# Altium PCB PCB_ControlCard.PcbDoc (part 2 of 4)
Units mm, origin at the board's own origin, x right, y up, seen from the top; angles counter-clockwise.
Board outline 116 x 133 mm, 4 copper layers (Top Layer, Inner 1, Inner 2, Bottom Layer), stack 1.492 mm thick; 342 components, 234 nets, 1133 pads, 996 vias.
Unrouted connection lines stored in the file: 23.
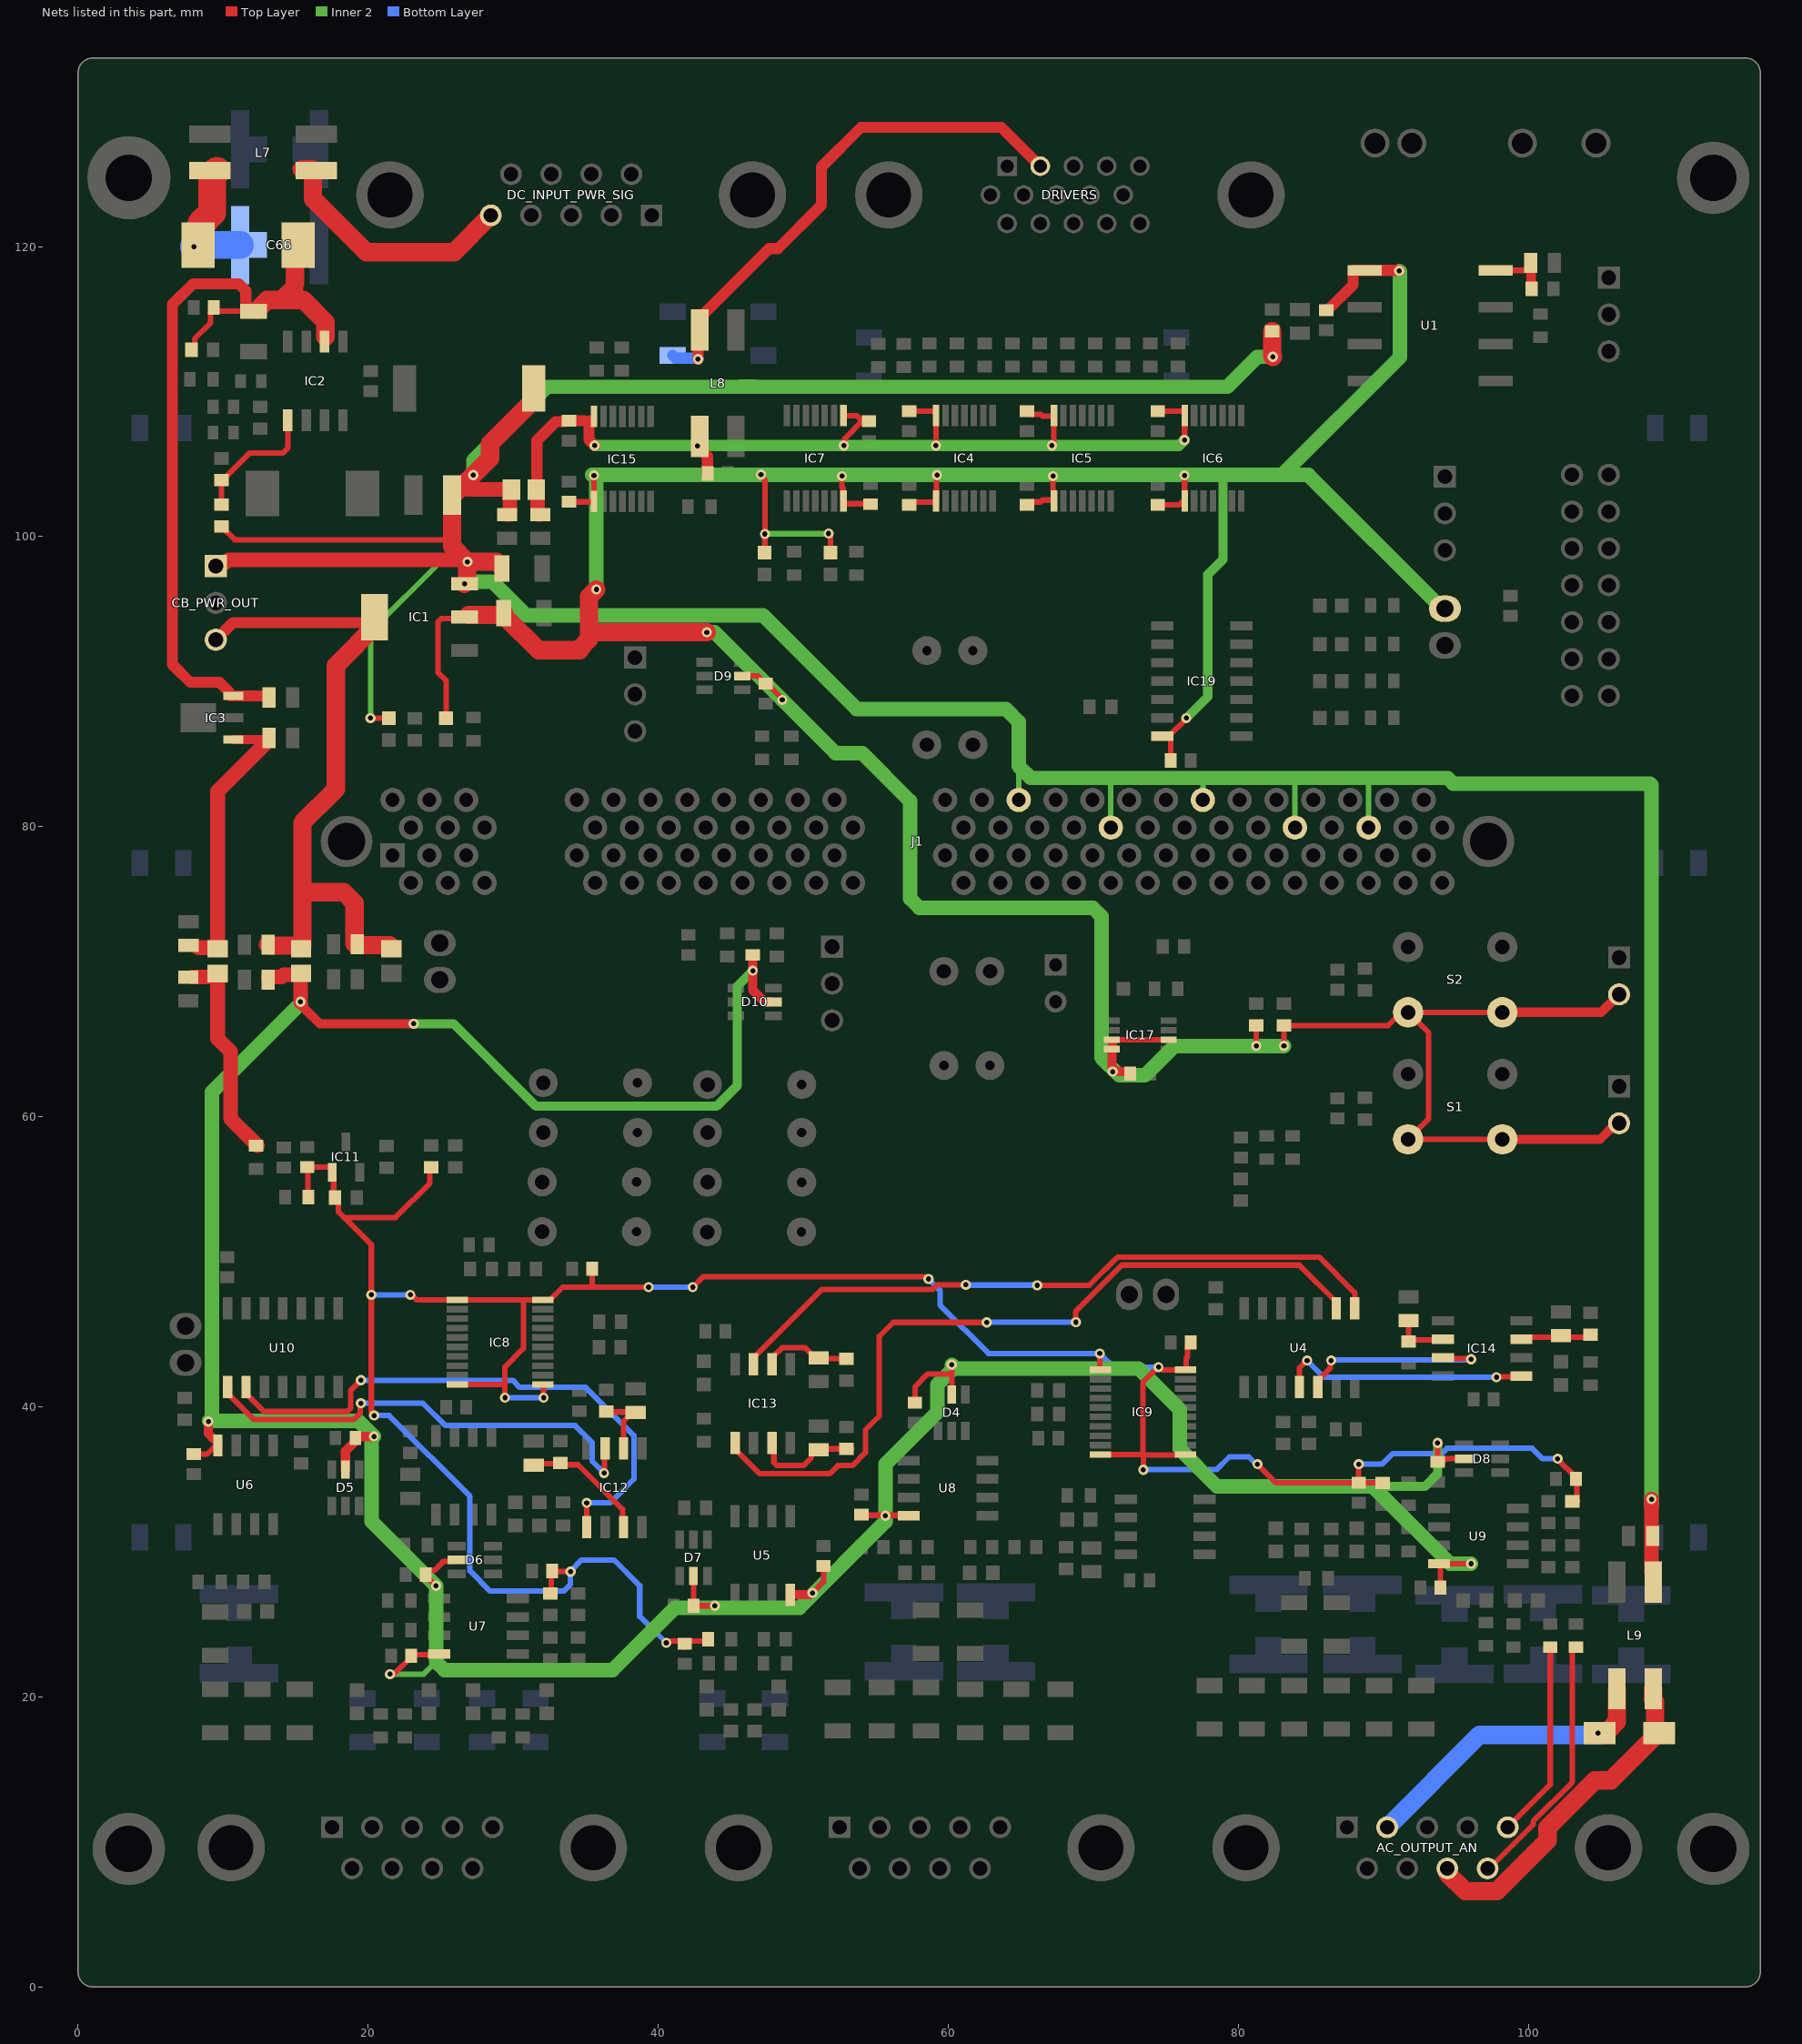
[diagram p4: the nets of this part, all layers, seen from the top]

## Part data
3V3_ON 5V_ON: library part 150060GS75000, "LED", Manufacturer_Name="Wurth Elektronik", Mouser Part Number=710-150060GS75000, Datasheet Link=https://componentsearchengine.com/Datasheets/2/150060GS75000.pdf, Height=0.8mm, Manufacturer_Part_Number=150060GS75000, Mouser Price/Stock=https://www.mouser.co.uk/ProductDetail/Wurth-Elektronik/150060GS75000?qs=LlUlMxKIyB0UYkq5lDO8nA%3D%3D
AC_OUTPUT_AN DC_AC_INPUT_AN DC_INPUT_AN DC_INPUT_PWR_SIG: "Connector", Manufacturer_Name="Amphenol Communications Solutions", Mouser Part Number=523-L77TSEH09SOL2RM8, Arrow Part Number=L77TSEH09SOL2RM8, Arrow Price/Stock=https://www.arrow.com/en/products/l77tseh09sol2rm8/amphenol-fci?region=nac, Datasheet Link=https://cdn.amphenol-cs.com/media/wysiwyg/files/drawing/l77tsxhxxsol2rm8.pdf, Height=12.3mm, Manufacturer_Part_Number=L77TSEH09SOL2RM8, Mouser Price/Stock=https://www.mouser.co.uk/ProductDetail/Amphenol-Commercial-Products/L77TSEH09SOL2RM8?qs=mq7kV%2Fq8lk5RvjourI%2Fduw%3D%3D
AUX_IN_ANALOG AUX_IN_DIGITAL AUX_OUT CB_PWR_OUT: "Connector", Manufacturer_Name="Amphenol Communications Solutions", Mouser Part Number=649-76384-303LF, Datasheet Link=https://cdn.amphenol-cs.com/media/wysiwyg/files/drawing/76384.pdf, Height=9.49mm, Manufacturer_Part_Number=76384-303LF
C1 C2 C7 C14 C15 C78 C79 C96 C97: "Capacitor", Manufacturer_Name=SAMSUNG, Mouser Part Number=187-CL21B105KAFNNNG, Arrow Part Number=CL21B105KAFNNNG, Arrow Price/Stock=https://www.arrow.com/en/products/cl21b105kafnnng/samsung-electro-mechanics?region=europe, Datasheet Link=https://datasheet.datasheetarchive.com/originals/distributors/Datasheets-DGA8/2478773.pdf, Height=1.35mm, Manufacturer_Part_Number=CL21B105KAFNNNG, Mouser Price/Stock=https://www.mouser.co.uk/ProductDetail/Samsung-Electro-Mechanics/CL21B105KAFNNNG?qs=yOVawPpwOwmXkU%252BG0TK%2F5g%3D%3D
C3 C6 C9 C19 C24 C27 C31 C32 C33 C34 C36 C37 C38 C39 C42 C43 C46 C47 C48 C49 C53 C54 C55 C56 C57 C58 C59 C60 C61 C62 C65 C74 C75 C76 C77 C80 C81 C82 C83 C84 C86 C87 C88 C89 C91 C92 C93 C94 C95 C122: library part EMK107B7104KA-T, "Capacitor", Manufacturer_Name="TAIYO YUDEN", Mouser Part Number=963-EMK107B7104KA-T, Arrow Part Number=EMK107B7104KA-T, Arrow Price/Stock=https://www.arrow.com/en/products/emk107b7104ka-t/taiyo-yuden, Datasheet Link=http://www.farnell.com/datasheets/746258.pdf, Height=0.95mm, Manufacturer_Part_Number=EMK107B7104KA-T
  C3 C6 C9 C19 C24 C27 C31 C32 C34 C37 C38 C42 C43 C47 C48 C49 C53 C54 C55 C56 C57 C58 C59 C60 C61 C62 C65 C74 C75 C76 C77 C80 C81 C82 C83 C84 C86 C87 C88 C89 C91 C92 C93 C122: Mouser Price/Stock=https://www.mouser.co.uk/ProductDetail/Taiyo-Yuden/EMK107B7104KA-T?qs=I6KAKw0tg2ybqzX8hKPgfw%3D%3D
  C33 C36 C39 C46 C94 C95: Mouser Price/Stock=https://www.mouser.co.uk/ProductDetail/TAIYO-YUDEN/EMK107B7104KA-T?qs=I6KAKw0tg2ybqzX8hKPgfw%3D%3D
C4: "Capacitor", Manufacturer_Name="Murata Electronics", Mouser Part Number=81-GRM32EC81C476KE5K, Arrow Part Number=GRM32EC81C476KE15K, Arrow Price/Stock=https://www.arrow.com/en/products/grm32ec81c476ke15k/murata-manufacturing?region=nac, Datasheet Link=http://psearch.en.murata.com/capacitor/product/GRM32ER71E226KE15%23.pdf, Height=2.7mm, Manufacturer_Part_Number=GRM32EC81C476KE15K, Mouser Price/Stock=https://www.mouser.co.uk/ProductDetail/Murata-Electronics/GRM32EC81C476KE15K?qs=pba5EUA0Y0ZfNhWUOosFbg%3D%3D
C5 C8 C10: "Capacitor", Manufacturer_Name=SAMSUNG, Mouser Part Number=187-CL31A226KAHNNNE, Arrow Part Number=CL31A226KAHNNNE, Arrow Price/Stock=https://www.arrow.com/en/products/cl31a226kahnnne/samsung-electro-mechanics?region=europe, Datasheet Link=https://datasheet.datasheetarchive.com/originals/distributors/Datasheets_SAMA/9f57e07966b0fde480de744eca033cf5.pdf, Height=1.8mm, Manufacturer_Part_Number=CL31A226KAHNNNE, Mouser Price/Stock=https://www.mouser.co.uk/ProductDetail/Samsung-Electro-Mechanics/CL31A226KAHNNNE?qs=X6jEic%2FHinCdwsjGJII51w%3D%3D
C11: "Capacitor", Manufacturer_Name=TDK-Lambda, Mouser Part Number=810-CGA3E2X7R1H103K, Arrow Part Number=CGA3E2X7R1H103K080AA, Arrow Price/Stock=https://www.arrow.com/en/products/cga3e2x7r1h103k080aa/tdk?region=nac, Datasheet Link=http://docs-europe.electrocomponents.com/webdocs/14e9/0900766b814e9125.pdf, Height=0.9mm, Manufacturer_Part_Number=CGA3E2X7R1H103K080AA, Mouser Price/Stock=https://www.mouser.co.uk/ProductDetail/TDK/CGA3E2X7R1H103K080AA?qs=NRhsANhppD8MREuCb2mQKQ%3D%3D
C12: "Capacitor", Manufacturer_Name=KEMET, Mouser Part Number=80-C0603C100K3G, Arrow Part Number=C0603C100K3GACTU, Arrow Price/Stock=https://www.arrow.com/en/products/c0603c100k3gactu/kemet-corporation, Datasheet Link=https://content.kemet.com/datasheets/KEM_C1003_C0G_SMD.pdf, Height=0.87mm, Manufacturer_Part_Number=C0603C100K3GACTU, Mouser Price/Stock=https://www.mouser.com/Search/Refine.aspx?Keyword=80-C0603C100K3G
C13: "Capacitor", Manufacturer_Name=TDK-Lambda, Mouser Part Number=810-CGA3E2X7R2A102K, Arrow Part Number=CGA3E2X7R2A102K080AA, Arrow Price/Stock=https://www.arrow.com/en/products/cga3e2x7r2a102k080aa/tdk?region=nac, Datasheet Link=http://docs-europe.electrocomponents.com/webdocs/14e9/0900766b814e9125.pdf, Height=0.9mm, Manufacturer_Part_Number=CGA3E2X7R2A102K080AA, Mouser Price/Stock=https://www.mouser.co.uk/ProductDetail/TDK/CGA3E2X7R2A102K080AA?qs=NRhsANhppD%2FkMFCdFnDSsQ%3D%3D
C16 C17 C40 C41 C63 C64 C67 C68 C70 C71 C72 C73: library part CL21B105KAFNNNG, "Capacitor", Manufacturer_Name=SAMSUNG, Mouser Part Number=187-CL21B105KAFNNNG, Arrow Part Number=CL21B105KAFNNNG, Arrow Price/Stock=https://www.arrow.com/en/products/cl21b105kafnnng/samsung-electro-mechanics?region=europe, Datasheet Link=https://datasheet.datasheetarchive.com/originals/distributors/Datasheets-DGA8/2478773.pdf, Height=1.35mm, Manufacturer_Part_Number=CL21B105KAFNNNG, Mouser Price/Stock=https://www.mouser.co.uk/ProductDetail/Samsung-Electro-Mechanics/CL21B105KAFNNNG?qs=yOVawPpwOwmXkU%252BG0TK%2F5g%3D%3D
C18: library part C0603C121J5GAC7411, "Capacitor", Manufacturer_Name=KEMET, Mouser Part Number=80-C0603C121J5GACLR, Datasheet Link=https://content.kemet.com/datasheets/KEM_C1003_C0G_SMD.pdf, Height=0.87mm, Manufacturer_Part_Number=C0603C121J5GAC7411, Mouser Price/Stock=https://www.mouser.co.uk/ProductDetail/KEMET/C0603C121J5GAC7411?qs=jZv2EoxFq37MWDKazt2ZvQ%3D%3D
C20 C23 C26 C44 C45 C50 C51 C90: library part C0603C221J5HACAUTO, "Capacitor", Manufacturer_Name=KEMET, Mouser Part Number=80-C0603C221J5HAUTO, Datasheet Link=https://content.kemet.com/datasheets/KEM_C1007_X8R_ULTRA_150C_SMD.pdf, Height=0.87mm, Manufacturer_Part_Number=C0603C221J5HACAUTO, Mouser Price/Stock=https://www.mouser.co.uk/ProductDetail/KEMET/C0603C221J5HACAUTO?qs=j%252B1pi9TdxUZayjzZ3rh80g%3D%3D
C21 C22 C25 C85 C113: "Capacitor", Manufacturer_Name=KEMET, Mouser Part Number=80-C0603C121J5GACLR, Datasheet Link=https://content.kemet.com/datasheets/KEM_C1003_C0G_SMD.pdf, Height=0.87mm, Manufacturer_Part_Number=C0603C121J5GAC7411, Mouser Price/Stock=https://www.mouser.co.uk/ProductDetail/KEMET/C0603C121J5GAC7411?qs=jZv2EoxFq37MWDKazt2ZvQ%3D%3D
C28 C29: "Capacitor", Manufacturer_Name=KEMET, Datasheet Link=https://content.kemet.com/datasheets/KEM_C1022_C0G_AUTO_SMD.pdf, Height=0.87mm, Manufacturer_Part_Number=C0603C331J5GACAUTO
C30 C35: "Capacitor", Manufacturer_Name=KEMET, Mouser Part Number=80-C0603C221J5HAUTO, Datasheet Link=https://content.kemet.com/datasheets/KEM_C1007_X8R_ULTRA_150C_SMD.pdf, Height=0.87mm, Manufacturer_Part_Number=C0603C221J5HACAUTO, Mouser Price/Stock=https://www.mouser.co.uk/ProductDetail/KEMET/C0603C221J5HACAUTO?qs=j%252B1pi9TdxUZayjzZ3rh80g%3D%3D
C52 C66 C98 C103 C105 C107 C108 C109 C110 C111: "Capacitor", Manufacturer_Name=KEMET, Mouser Part Number=80-LDEQD1100KA5N00, Datasheet Link=https://content.kemet.com/datasheets/KEM_F3078_LDE.pdf, Height=1.9mm, Manufacturer_Part_Number=LDEQD1100KA5N00, Mouser Price/Stock=https://www.mouser.co.uk/ProductDetail/KEMET/LDEQD1100KA5N00?qs=MdJgNetHbfkxq2yA6XdGCw%3D%3D
C69 C99 C100 C101 C102 C104 C106 C112 C114 C115 C116 C117 C118 C119 C120 C121: "Capacitor", Manufacturer_Name=KEMET, Mouser Part Number=80-C1206C102KGRAUTO, Arrow Part Number=C1206C102KGRACAUTO, Arrow Price/Stock=https://www.arrow.com/en/products/c1206c102kgracauto/kemet-corporation?region=nac, Datasheet Link=https://content.kemet.com/datasheets/KEM_C1076_X7R_HV_AUTO_SMD.pdf, Manufacturer_Part_Number=C1206C102KGRACAUTO, Mouser Price/Stock=https://www.mouser.co.uk/ProductDetail/KEMET/C1206C102KGRACAUTO?qs=02kMkzikyGKenJNcwYLRQw%3D%3D
CLEAR_BTN_EXT RST_BTN_EXT: "Connector", Manufacturer_Name="TE Connectivity", Mouser Part Number=571-3-647050-2, Datasheet Link=https://www.te.com/commerce/DocumentDelivery/DDEController?Action=srchrtrv&DocNm=647050&DocType=Customer+Drawing&DocLang=English&PartCntxt=3-647050-2&DocFormat=pdf, Height=10.79mm, Manufacturer_Part_Number=3-647050-2, Mouser Price/Stock=https://www.mouser.co.uk/ProductDetail/TE-Connectivity-AMP/3-647050-2?qs=W5ux9j661SpBFGFPk8vxRQ%3D%3D, System=Connector
D1 D3: "Schottky Diode", Manufacturer_Name="Taiwan Semiconductor", Mouser Part Number=821-SS34, Arrow Part Number=SS34, Arrow Price/Stock=https://www.arrow.com/en/products/ss34/taiwan-semiconductor?region=nac, Datasheet Link=https://componentsearchengine.com/Datasheets/1/SS34.pdf, Height=2.62mm, Manufacturer_Part_Number=SS34, Mouser Price/Stock=https://www.mouser.co.uk/ProductDetail/Taiwan-Semiconductor/SS34?qs=JV7lzlMm3yIimVqgKV%2F1SA%3D%3D
D2: "TVS Diode (Uni-directional)", Manufacturer_Name=LITTELFUSE, Mouser Part Number=576-SMAJ5.0A, Arrow Part Number=SMAJ5.0A, Arrow Price/Stock=https://www.arrow.com/en/products/smaj5.0a/littelfuse?region=europe, Datasheet Link=https://www.littelfuse.com/~/media/electronics/datasheets/tvs_diodes/littelfuse_tvs_diode_smaj_datasheet.pdf.pdf, Height=2.29mm, Manufacturer_Part_Number=SMAJ5.0A, Mouser Price/Stock=https://www.mouser.co.uk/ProductDetail/Littelfuse/SMAJ5.0A?qs=2VFNtWizgicfetZVA4gWHA%3D%3D
D4 D5 D6 D7 D8: "TVS Diode (Bi-directional)", Manufacturer_Name=onsemi, Mouser Part Number=748-CM1293A-04SO, Arrow Part Number=CM1293A-04SO, Arrow Price/Stock=https://www.arrow.com/en/products/cm1293a-04so/on-semiconductor?region=nac, Datasheet Link=https://www.onsemi.com/pub/Collateral/CM1293A-04SO-D.PDF, Height=1.1mm, Manufacturer_Part_Number=CM1293A-04SO, Mouser Price/Stock=https://www.mouser.co.uk/ProductDetail/onsemi/CM1293A-04SO?qs=LMMkZCEv%2Ff0mlcOKTEwKBg%3D%3D
D9 D10: "TVS Diode (Uni-directional)", Manufacturer_Name="Diodes Inc.", Mouser Part Number=621-D5V0P4UR6SO-7, Arrow Part Number=D5V0P4UR6SO-7, Arrow Price/Stock=https://www.arrow.com/en/products/d5v0p4ur6so-7/diodes-incorporated?region=nac, Datasheet Link=https://www.arrow.com/en/products/d5v0p4ur6so-7/diodes-incorporated, Height=1.4mm, Manufacturer_Part_Number=D5V0P4UR6SO-7, Mouser Price/Stock=https://www.mouser.co.uk/ProductDetail/Diodes-Incorporated/D5V0P4UR6SO-7?qs=rN85NNvew%2FSjbewGRfhy7A%3D%3D
DRIVERS: "Connector", Manufacturer_Name="Amphenol Communications Solutions", Mouser Part Number=649-10090929-S154VLF, Datasheet Link=https://cdn.amphenol-cs.com/media/wysiwyg/files/drawing/10090929.pdf, Height=12.4mm, Manufacturer_Part_Number=10090929-S154VLF
FLT HW_TZ LED1 LED2 LED3 LED4 RDY_ERR: library part 150060RS75000, "LED", Manufacturer_Name="Wurth Elektronik", Mouser Part Number=710-150060RS75000, Datasheet Link=http://katalog.we-online.de/led/datasheet/150060RS75000.pdf, Height=0.8mm, Manufacturer_Part_Number=150060RS75000, Mouser Price/Stock=https://www.mouser.co.uk/ProductDetail/Wurth-Elektronik/150060RS75000?qs=LlUlMxKIyB3QnmZ3fw%2FVCA%3D%3D
GND_JUMP J2 J_INT JTAG_3V3 WP: "Header, 2-Pin"
IC1: library part AZ1117CH-3.3TRG1, "Integrated Circuit", Manufacturer_Name="Diodes Inc.", Mouser Part Number=621-AZ1117CH-3.3TRG1, Arrow Part Number=AZ1117CH-3.3TRG1, Arrow Price/Stock=https://www.arrow.com/en/products/az1117ch-3.3trg1/diodes-incorporated?region=nac, Datasheet Link=https://datasheet.datasheetarchive.com/originals/distributors/Datasheets-DGA25/1776204.pdf, Height=1.8mm, Manufacturer_Part_Number=AZ1117CH-3.3TRG1, Mouser Price/Stock=https://www.mouser.co.uk/ProductDetail/Diodes-Incorporated/AZ1117CH-3.3TRG1?qs=FKu9oBikfSm7ntaG6olPSQ%3D%3D
IC2: "Integrated Circuit", Manufacturer_Name="Texas Instruments", Mouser Part Number=595-TPS54331D, Arrow Part Number=TPS54331D, Arrow Price/Stock=https://www.arrow.com/en/products/tps54331d/texas-instruments?region=nac, Datasheet Link=http://www.ti.com/lit/gpn/tps54331, Height=1.75mm, Manufacturer_Part_Number=TPS54331D, Mouser Price/Stock=https://www.mouser.co.uk/ProductDetail/Texas-Instruments/TPS54331D?qs=QyYHynRG50pEbpiybdzwkw%3D%3D
IC3: "Integrated Circuit", Manufacturer_Name=STMicroelectronics, Mouser Part Number=511-L78L05ABU, Arrow Part Number=L78L05ABUTR, Arrow Price/Stock=https://www.arrow.com/en/products/l78l05abutr/stmicroelectronics?region=europe, Datasheet Link=https://componentsearchengine.com/Datasheets/2/L78L05ABUTR.pdf, Manufacturer_Part_Number=L78L05ABUTR, Mouser Price/Stock=https://www.mouser.co.uk/ProductDetail/STMicroelectronics/L78L05ABUTR?qs=1feNxqzJ94QQZYRl%252B78DYA%3D%3D
IC4 IC5 IC6 IC7 IC15: "Integrated Circuit", Manufacturer_Name="Texas Instruments", Mouser Part Number=595-TXU0104PWR, Arrow Part Number=TXU0104PWR, Arrow Price/Stock=https://www.arrow.com/en/products/txu0104pwr/texas-instruments?region=nac, Datasheet Link=https://www.ti.com/lit/ds/symlink/txu0104.pdf?ts=1625451640473&ref_url=https%253A%252F%252Fwww.ti.com%252Fsitesearch%252Fdocs%252Funiversalsearch.tsp%253FlangPref%253Den-US%2526searchTerm%253DTXU0104PWR%2526nr%253D4, Height=1.2mm, Manufacturer_Part_Number=TXU0104PWR, Mouser Price/Stock=https://www.mouser.co.uk/ProductDetail/Texas-Instruments/TXU0104PWR?qs=QNEnbhJQKvYcSGbLlthvAQ%3D%3D
IC8 IC9: "Integrated Circuit", Arrow Part Number=MCP4461-503E/ST, Manufacturer_Name=Microchip, Mouser Part Number=579-MCP4461503EST, Arrow Price/Stock=https://www.arrow.com/en/products/mcp4461-503est/microchip-technology, Datasheet Link=https://datasheet.datasheetarchive.com/originals/dk/DKDS-14/279656.pdf, Height=1.2mm, Manufacturer_Part_Number=MCP4461-503E/ST, Mouser Price/Stock=https://www.mouser.co.uk/ProductDetail/Microchip-Technology/MCP4461-503E-ST?qs=hort8UWU32ogb6GG%252BEGOkQ%3D%3D
IC11: library part TL431LIBEDBZRQ1, "Integrated Circuit", Manufacturer_Name="Texas Instruments", Mouser Part Number=595-TL431LIBEDBZRQ1, Arrow Part Number=TL431LIBEDBZRQ1, Arrow Price/Stock=https://www.arrow.com/en/products/tl431libedbzrq1/texas-instruments?region=nac, Datasheet Link=https://www.ti.com/lit/gpn/TL431LI-Q1, Height=1.12mm, Manufacturer_Part_Number=TL431LIBEDBZRQ1, Mouser Price/Stock=https://www.mouser.co.uk/ProductDetail/Texas-Instruments/TL431LIBEDBZRQ1?qs=Cb2nCFKsA8oDEduucTTYNA%3D%3D
IC12 IC13 IC14 IC16 IC18: "Integrated Circuit", Manufacturer_Name="Texas Instruments", Mouser Part Number=595-LMV393IDRG4, Arrow Part Number=LMV393IDRG4, Arrow Price/Stock=https://www.arrow.com/en/products/lmv393idrg4/texas-instruments?region=nac, Datasheet Link=https://www.ti.com/lit/gpn/lmv393, Height=1.75mm, Manufacturer_Part_Number=LMV393IDRG4, Mouser Price/Stock=https://www.mouser.co.uk/ProductDetail/Texas-Instruments/LMV393IDRG4?qs=tP77tliwutC5frth4oKpcg%3D%3D
IC17: "Integrated Circuit", Manufacturer_Name="Texas Instruments", Mouser Part Number=595-74LVC2G74DCTRE6, Arrow Part Number=SN74LVC2G74DCTRE6, Arrow Price/Stock=https://www.arrow.com/en/products/sn74lvc2g74dctre6/texas-instruments?region=nac, Datasheet Link=https://www.ti.com/lit/ds/symlink/sn74lvc2g74.pdf?ts=1629109043918&ref_url=https%253A%252F%252Fwww.ti.com%252Fstore%252Fti%252Fen%252Fp%252Fproduct%252F%253Fp%253DSN74LVC2G74DCTRE6, Height=1.3mm, Manufacturer_Part_Number=SN74LVC2G74DCTRE6, Mouser Price/Stock=https://www.mouser.co.uk/ProductDetail/Texas-Instruments/SN74LVC2G74DCTRE6?qs=byeeYqUIh0MaOLKxYGSbxw%3D%3D
IC19: "Integrated Circuit", Arrow Part Number=74HC04D(BJ), Manufacturer_Name=Toshiba, Mouser Part Number=757-74HC04DBJ, Arrow Price/Stock=https://www.arrow.com/en/products/74hc04d-bj/toshiba?region=europe, Datasheet Link=http://toshiba.semicon-storage.com/info/docget.jsp?did=37182&prodName=74HC04D, Height=1.75mm, Manufacturer_Part_Number=74HC04D(BJ), Mouser Price/Stock=https://www.mouser.co.uk/ProductDetail/Toshiba/74HC04DBJ?qs=kdd6aVn74hyhHdfHNvZcvA%3D%3D
J1: library part HDR_DIM_100, "CONN, 100 pin DIMM socket - Molex 0876301001"
J3: library part 76384-303LF, "Connector", Manufacturer_Name="Amphenol Communications Solutions", Mouser Part Number=649-76384-303LF, Datasheet Link=https://cdn.amphenol-cs.com/media/wysiwyg/files/drawing/76384.pdf, Height=9.49mm, Manufacturer_Part_Number=76384-303LF
JTAG: "Connector", Manufacturer_Name=SAMTEC, Mouser Part Number=200-TST10701GD06, Arrow Part Number=TST-107-01-G-D-06, Arrow Price/Stock=https://www.arrow.com/en/products/tst-107-01-g-d-06/samtec?region=nac, Datasheet Link=https://www.arrow.com/en/products/tst-107-01-g-d-06/samtec, Height=9.27mm, Manufacturer_Part_Number=TST-107-01-G-D-06, Mouser Price/Stock=https://www.mouser.co.uk/ProductDetail/Samtec/TST-107-01-G-D-06?qs=rU5fayqh%252BE2aRBN6ChnNCw%3D%3D
L1 L4 L5 L6: "Ferrite Bead", Manufacturer_Name="Wurth Elektronik", Mouser Part Number=710-78279220601, Datasheet Link=https://www.mouser.de/datasheet/2/445/78279220601-2298574.pdf, Height=1.1mm, Manufacturer_Part_Number=78279220601, Mouser Price/Stock=https://www.mouser.co.uk/ProductDetail/Wurth-Elektronik/78279220601?qs=iLbezkQI%252BsjgiK1FovJqGg%3D%3D
L2: "Inductor", Manufacturer_Name=Sumida, Mouser Part Number=851-CDRH104RNP-100NC, Arrow Part Number=CDRH104RNP-100NC, Arrow Price/Stock=https://www.arrow.com/en/products/cdrh104rnp-100nc/sumida?region=nac, Datasheet Link=http://products.sumida.com/products/pdf/CDRH104R.pdf, Height=4mm, Manufacturer_Part_Number=CDRH104RNP-100NC, Mouser Price/Stock=https://www.mouser.co.uk/ProductDetail/Sumida/CDRH104RNP-100NC?qs=qsxNffVSAzE8lEZlJlwl9Q%3D%3D
L7 L8 L9: "Inductor", Manufacturer_Name="Murata Electronics", Mouser Part Number=580-50105AC, Arrow Part Number=50105AC, Arrow Price/Stock=https://www.arrow.com/en/products/50105ac/murata-manufacturing?region=nac, Datasheet Link=https://www.murata.com/products/productdata/8816046243870/kmp-5000ac.pdf?1660102215000, Height=4.8mm, Manufacturer_Part_Number=50105AC, Mouser Price/Stock=https://www.mouser.co.uk/ProductDetail/Murata-Power-Solutions/50105AC?qs=ulEaXIWI0c%2Fcrd1VVgrYEw%3D%3D
R1: "Resistor", Manufacturer_Name=Vishay, Mouser Part Number=71-CRCW0603-1.0M-E3, Arrow Part Number=CRCW06031M00FKEA, Arrow Price/Stock=https://www.arrow.com/en/products/crcw06031m00fkea/vishay?region=nac, Datasheet Link=http://www.vishay.com/docs/20035/dcrcwe3.pdf, Height=0.5mm, Manufacturer_Part_Number=CRCW06031M00FKEA, Mouser Price/Stock=https://www.mouser.co.uk/ProductDetail/Vishay-Dale/CRCW06031M00FKEA?qs=FqL7cmfwu%2FFSEaf7V3BJcQ%3D%3D
R2 R3: "Resistor", Manufacturer_Name=Vishay, Mouser Part Number=71-CRCW060310R0FKEAH, Arrow Part Number=CRCW060310R0FKEAHP, Arrow Price/Stock=https://www.arrow.com/en/products/crcw060310r0fkeahp/vishay?region=nac, Datasheet Link=http://www.farnell.com/datasheets/1885357.pdf, Height=0.5mm, Manufacturer_Part_Number=CRCW060310R0FKEAHP, Mouser Price/Stock=https://www.mouser.co.uk/ProductDetail/Vishay-Dale/CRCW060310R0FKEAHP?qs=k2%2FDWSARqgHKJ7AdmQKyZw%3D%3D
R4 R27 R29 R113 R114 R115 R116 R117 R119 R133 R134: "Resistor", Manufacturer_Name=Vishay, Mouser Part Number=71-CRCW06031K00FKEAC, Arrow Part Number=CRCW06031K00FKEAC, Arrow Price/Stock=https://www.arrow.com/en/products/crcw06031k00fkeac/vishay?region=nac, Datasheet Link=https://www.vishay.com/docs/28773/crcwce3.pdf, Height=0.55mm, Manufacturer_Part_Number=CRCW06031K00FKEAC, Mouser Price/Stock=https://www.mouser.co.uk/ProductDetail/Vishay-Dale/CRCW06031K00FKEAC?qs=E3Y5ESvWgWOQ7ePIWbGVFg%3D%3D
R5: "Resistor", Manufacturer_Name=Vishay, Mouser Part Number=71-CRCW0603-12K-E3, Arrow Part Number=CRCW060312K0FKEA, Arrow Price/Stock=https://www.arrow.com/en/products/crcw060312k0fkea/vishay?region=nac, Datasheet Link=http://www.vishay.com/docs/20035/dcrcwe3.pdf, Height=0.5mm, Manufacturer_Part_Number=CRCW060312K0FKEA, Mouser Price/Stock=https://www.mouser.co.uk/ProductDetail/Vishay-Dale/CRCW060312K0FKEA?qs=HGDjLH0wsMDt1KMqI4fBYA%3D%3D
R6 R10: library part ERJ-S03F6802V, "Resistor", Manufacturer_Name=Panasonic, Mouser Part Number=667-ERJ-S03F6802V, Datasheet Link=https://industrial.panasonic.com/cdbs/www-data/pdf/RDP0000/AOA0000C334.pdf, Height=0.55mm, Manufacturer_Part_Number=ERJ-S03F6802V, Mouser Price/Stock=https://www.mouser.co.uk/ProductDetail/Panasonic/ERJ-S03F6802V?qs=Zyl8A9hlmJrefgHdaBD9Yg%3D%3D
R7 R9 R28: "Resistor", Manufacturer_Name=Vishay, Mouser Part Number=71-CRCW0603-6.8K-E3, Arrow Part Number=CRCW06036K80FKEA, Arrow Price/Stock=https://www.arrow.com/en/products/crcw06036k80fkea/vishay, Datasheet Link=http://www.vishay.com/docs/20035/dcrcwe3.pdf, Height=0.5mm, Manufacturer_Part_Number=CRCW06036K80FKEA, Mouser Price/Stock=https://www.mouser.co.uk/ProductDetail/Vishay-Dale/CRCW06036K80FKEA?qs=AJ8X0UdFcuT%2FTCHOUTZCrw%3D%3D
R8 R11 R18 R20 R23 R24: "Resistor", Manufacturer_Name=Vishay, Mouser Part Number=71-CRCW0603-18K-E3, Arrow Part Number=CRCW060318K0FKEA, Arrow Price/Stock=https://www.arrow.com/en/products/crcw060318k0fkea/vishay?region=nac, Datasheet Link=http://www.vishay.com/docs/20035/dcrcwe3.pdf, Height=0.5mm, Manufacturer_Part_Number=CRCW060318K0FKEA, Mouser Price/Stock=https://www.mouser.co.uk/ProductDetail/Vishay-Dale/CRCW060318K0FKEA?qs=Ihd9YkxhV%2F2Qiuqr%2FyuzaQ%3D%3D
R12: "Resistor", Manufacturer_Name=Vishay, Mouser Part Number=71-CRCW0603-3.9K-E3, Arrow Part Number=CRCW06033K90FKEA, Arrow Price/Stock=https://www.arrow.com/en/products/crcw06033k90fkea/vishay, Datasheet Link=http://www.vishay.com/docs/20035/dcrcwe3.pdf, Height=0.5mm, Manufacturer_Part_Number=CRCW06033K90FKEA, Mouser Price/Stock=https://www.mouser.com/Search/Refine.aspx?Keyword=71-CRCW0603-3.9K-E3